# KiCad board access-controller.kicad_pcb
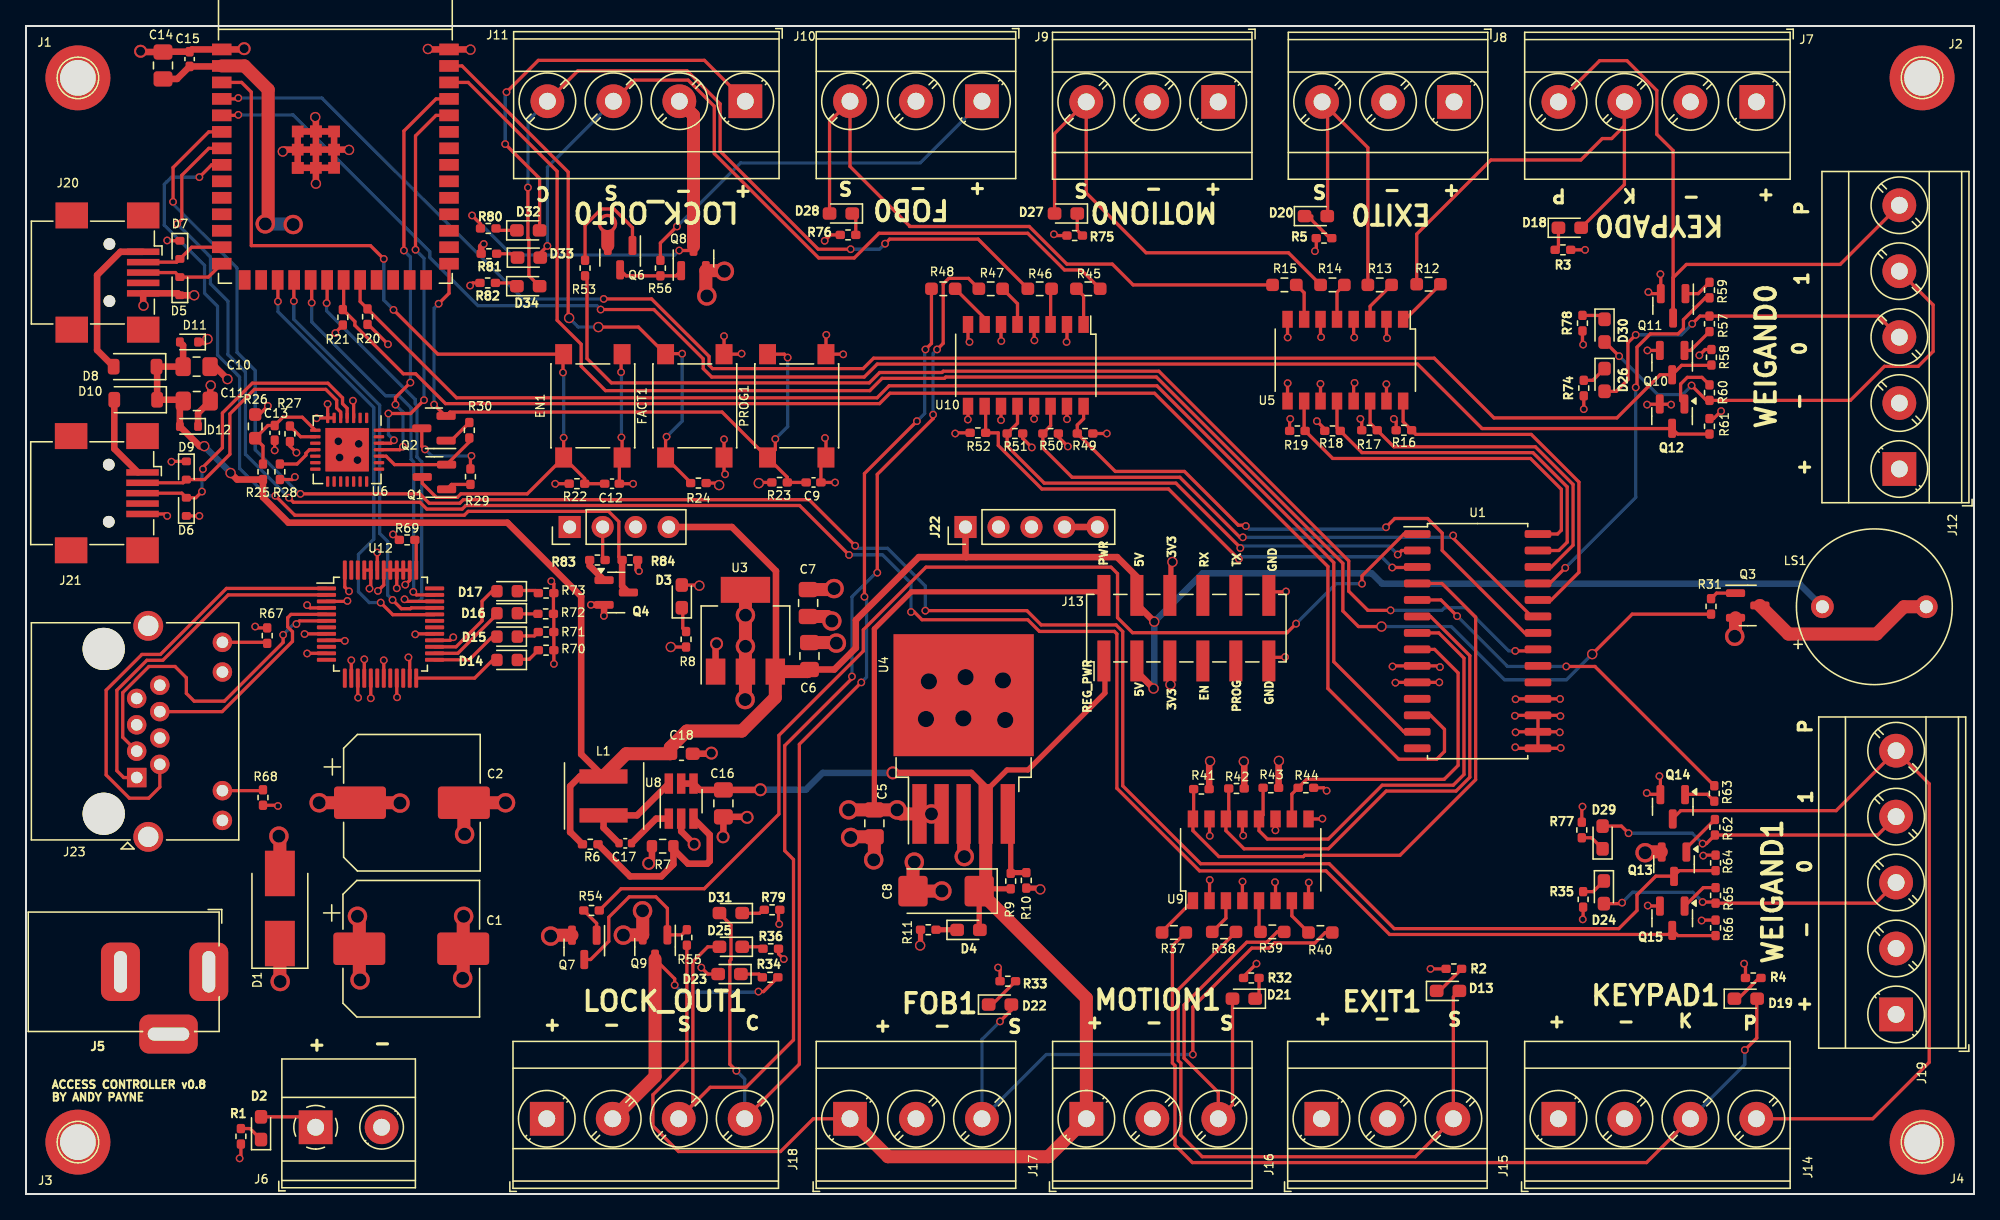
[diagram p0: board, top side]
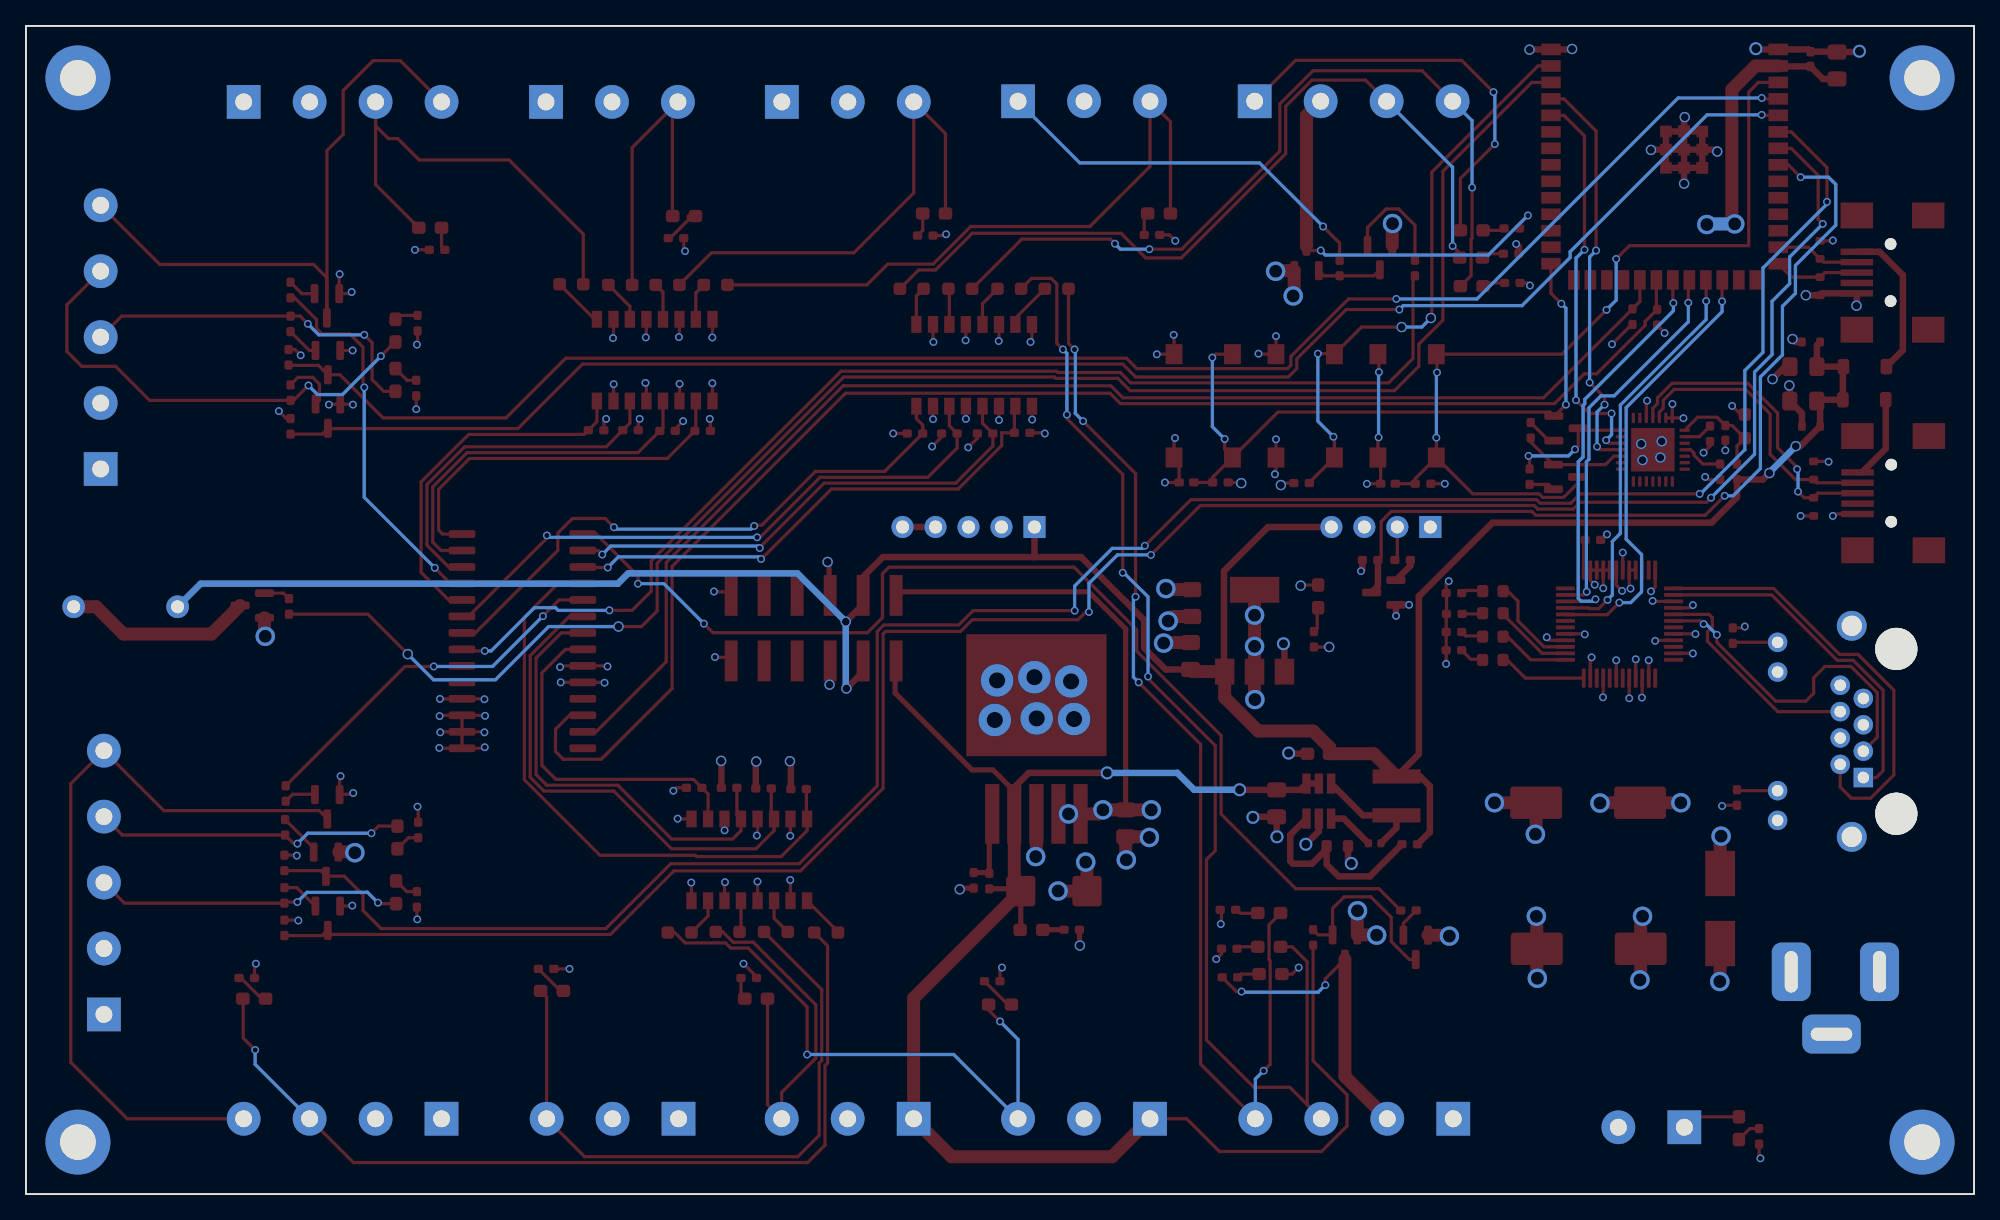
[diagram p1: board, bottom side, seen from below]

Outline 150 x 90 mm; copper layers: Top, In1.Cu (plane), In2.Cu (plane), Bottom. Coordinates in mm from the lower left corner of the outline.
Outline path: 0,90 0,0 150,0 150,90 0,90

## Placement (name value [footprint] x y rotation side)
C1  C_470uF  [CP_Elec_10x10]  29.67 18.9 0 top
C2  C_470uF  [CP_Elec_10x10]  29.72 30.15 0 top
C5  C_10uF  [C_0805_2012Metric_Pad1.18x1.45mm_HandSolder]  65.33 28.56 270 top
C6  C_10uF  [C_0805_2012Metric_Pad1.18x1.45mm_HandSolder]  60.33 41.45 90 top
C7  C_10uF  [C_0805_2012Metric_Pad1.18x1.45mm_HandSolder]  60.22 45.54 270 top
C8  C_10uF_Ta  [CP_EIA-6032-15_Kemet-U_Pad2.25x2.35mm_HandSolder]  70.85 23.34 180 top
C9  1uF  [C_0402_1005Metric_Pad0.74x0.62mm_HandSolder]  60.64 54.83 0 top
C10  C_10uF  [C_0805_2012Metric_Pad1.18x1.45mm_HandSolder]  13.14 63.75 0 top
C11  C_10uF  [C_0805_2012Metric_Pad1.18x1.45mm_HandSolder]  13.15 61.1 0 top
C12  1uF  [C_0402_1005Metric_Pad0.74x0.62mm_HandSolder]  45.12 54.73 0 top
C13  1uF  [C_0402_1005Metric_Pad0.74x0.62mm_HandSolder]  19.15 58.65 270 top
C14  C_10uF  [C_0805_2012Metric_Pad1.18x1.45mm_HandSolder]  10.55 86.95 90 top
C15  100nF  [C_0402_1005Metric_Pad0.74x0.62mm_HandSolder]  12.6 87.45 90 top
C16  C_10uF  [C_0805_2012Metric_Pad1.18x1.45mm_HandSolder]  53.7 30.1 270 top
C17  22nF  [C_0402_1005Metric]  46.15 27.02 180 top
C18  C_22uF  [C_0603_1608Metric_Pad1.08x0.95mm_HandSolder]  50.47 33.92 0 top
D1  D_Zener  [D_SMB_Handsoldering]  19.55 22 90 top
D2  White  [LED_0603_1608Metric_Pad1.05x0.95mm_HandSolder]  18.1 5.07 90 top
D3  White  [LED_0603_1608Metric_Pad1.05x0.95mm_HandSolder]  50.5 46.05 90 top
D4  White  [LED_0603_1608Metric_Pad1.05x0.95mm_HandSolder]  72.58 20.35 0 top
D5  ESD_5V  [D_SOD-523]  11.85 69.95 90 top
D6  ESD_5V  [D_SOD-523]  12.35 52.95 90 top
D7  ESD_5V  [D_SOD-523]  11.85 72.75 270 top
D8  D_1N5819HW  [D_SOD-123]  8.4 63.75 180 top
D9  ESD_5V  [D_SOD-523]  12.35 55.75 270 top
D10  D_1N5819HW  [D_SOD-123]  8.45 61.2 180 top
D11  ESD_5V  [D_SOD-523]  12.55 65.65 180 top
D12  ESD_5V  [D_SOD-523]  12.55 59.15 180 top
D13  White  [LED_0603_1608Metric_Pad1.05x0.95mm_HandSolder]  109.5 15.65 0 top
D14  Red  [LED_0603_1608Metric]  37.05 41.15 180 top
D15  Red  [LED_0603_1608Metric]  37.05 42.95 180 top
D16  Red  [LED_0603_1608Metric]  37.05 44.75 180 top
D17  Red  [LED_0603_1608Metric]  37.05 46.45 180 top
D18  White  [LED_0603_1608Metric_Pad1.05x0.95mm_HandSolder]  118.88 74.45 0 top
D19  White  [LED_0603_1608Metric_Pad1.05x0.95mm_HandSolder]  132.43 15.05 0 top
D20  White  [LED_0603_1608Metric_Pad1.05x0.95mm_HandSolder]  99.33 75.35 0 top
D21  White  [LED_0603_1608Metric_Pad1.05x0.95mm_HandSolder]  93.78 15.05 180 top
D22  White  [LED_0603_1608Metric_Pad1.05x0.95mm_HandSolder]  75 14.6 0 top
D23  White  [LED_0603_1608Metric_Pad1.05x0.95mm_HandSolder]  54.17 16.95 180 top
D24  White  [LED_0603_1608Metric_Pad1.05x0.95mm_HandSolder]  121.5 23.25 270 top
D25  White  [LED_0603_1608Metric_Pad1.05x0.95mm_HandSolder]  54.28 19.05 180 top
D26  White  [LED_0603_1608Metric_Pad1.05x0.95mm_HandSolder]  121.55 62.72 270 top
D27  White  [LED_0603_1608Metric_Pad1.05x0.95mm_HandSolder]  80.08 75.55 180 top
D28  White  [LED_0603_1608Metric_Pad1.05x0.95mm_HandSolder]  62.75 75.55 180 top
D29  White  [LED_0603_1608Metric_Pad1.05x0.95mm_HandSolder]  121.4 27.47 90 top
D30  White  [LED_0603_1608Metric_Pad1.05x0.95mm_HandSolder]  121.55 66.52 270 top
D31  White  [LED_0603_1608Metric_Pad1.05x0.95mm_HandSolder]  54.28 21.65 180 top
D32  White  [LED_0603_1608Metric_Pad1.05x0.95mm_HandSolder]  38.68 74.25 0 top
D33  White  [LED_0603_1608Metric_Pad1.05x0.95mm_HandSolder]  38.73 72.15 0 top
D34  White  [LED_0603_1608Metric_Pad1.05x0.95mm_HandSolder]  38.68 69.95 0 top
EN1  SW_PUSH  [SW_SPST_PTS645]  43.65 60.73 90 top
FACT1  SW_PUSH  [SW_SPST_PTS645]  51.5 60.73 90 top
J1  Conn_01x01_Female  [Mount_Hole]  4 86 180 top
J2  Conn_01x01_Female  [Mount_Hole]  146 86 180 top
J3  Conn_01x01_Female  [Mount_Hole]  4 4 180 top
J4  Conn_01x01_Female  [Mount_Hole]  146 4 180 top
J5  Barrel_Jack_Switch  [BarrelJack_OD5.5_ID2.5]  13.98 17.12 0 top
J6  Screw_Terminal_01x02  [TerminalBlock_Phoenix_MKDS-1,5-2-5.08_1x02_P5.08mm_Horizontal]  22.31 5.14 0 top
J7  Terminal_01x04  [TerminalBlock_Phoenix_MKDS-3-4-5.08_1x04_P5.08mm_Horizontal]  133.24 84.15 180 top
J8  Terminal_01x03  [TerminalBlock_Phoenix_MKDS-3-3-5.08_1x03_P5.08mm_Horizontal]  109.96 84.15 180 top
J9  Terminal_01x03  [TerminalBlock_Phoenix_MKDS-3-3-5.08_1x03_P5.08mm_Horizontal]  91.8 84.15 180 top
J10  Terminal_01x03  [TerminalBlock_Phoenix_MKDS-3-3-5.08_1x03_P5.08mm_Horizontal]  73.61 84.2 180 top
J11  Terminal_01x04  [TerminalBlock_Phoenix_MKDS-3-4-5.08_1x04_P5.08mm_Horizontal]  55.39 84.2 180 top
J12  Screw_Terminal_01x05  [TerminalBlock_Phoenix_MKDS-3-5-5.08_1x05_P5.08mm_Horizontal]  144.25 55.86 90 top
J13  Conn_02x06_Odd_Even  [PinHeader_2x06_P2.54mm_Vertical_SMD]  89.35 43.6 90 top
J14  Terminal_01x04  [TerminalBlock_Phoenix_MKDS-3-4-5.08_1x04_P5.08mm_Horizontal]  118 5.8 0 top
J15  Terminal_01x03  [TerminalBlock_Phoenix_MKDS-3-3-5.08_1x03_P5.08mm_Horizontal]  99.75 5.8 0 top
J16  Terminal_01x03  [TerminalBlock_Phoenix_MKDS-3-3-5.08_1x03_P5.08mm_Horizontal]  81.65 5.8 0 top
J17  Terminal_01x03  [TerminalBlock_Phoenix_MKDS-3-3-5.08_1x03_P5.08mm_Horizontal]  63.45 5.8 0 top
J18  Terminal_01x04  [TerminalBlock_Phoenix_MKDS-3-4-5.08_1x04_P5.08mm_Horizontal]  40.1 5.8 0 top
J19  Screw_Terminal_01x05  [TerminalBlock_Phoenix_MKDS-3-5-5.08_1x05_P5.08mm_Horizontal]  144 13.84 90 top
J20  USB_MINI_B  [USB_Mini-B_Wuerth_65100516121_Horizontal]  6.43 71 270 top
J21  USB_MINI_B  [USB_Mini-B_Wuerth_65100516121_Horizontal]  6.38 54 270 top
J22  RF_MODULE  [RXB6_RF_MODULE]  61.18 51.14 0 top
J23  CONN_RJ45  [RJ45_Amphenol_RJHSE538X]  8.53 32.09 90 top
L1  10uH  [L_4x4]  44.47 30.67 90 top
LS1  TMB12A05  [S_YXDZ]  142.33 45.25 90 top
PROG1  SW_PUSH  [SW_SPST_PTS645]  59.35 60.73 90 top
Q1  Q_L8050QLT1G  [SOT-23]  31.45 55.25 180 top
Q2  Q_L8550HQLT1G  [SOT-23]  31.41 59 180 top
Q3  Q_MMBT5551  [SOT-23]  132.57 45.35 0 top
Q4  Q_MMBT5551  [SOT-23]  45.45 46.35 0 top
Q6  Q_MMBT5551  [SOT-23]  45.75 72.15 270 top
Q7  Q_MMBT5551  [SOT-23]  42.99 19.01 270 top
Q8  Q_AO3400A  [SOT-23]  51.4 72.08 90 top
Q9  Q_AO3400A  [SOT-23]  48.44 19.03 270 top
Q10  Q_MMBT5551  [SOT-23]  126.76 64.06 270 top
Q11  Q_MMBT5551  [SOT-23]  126.83 68.44 270 top
Q12  Q_MMBT5551  [SOT-23]  126.75 59.94 270 top
Q13  Q_MMBT5551  [SOT-23]  126.9 25.41 270 top
Q14  Q_MMBT5551  [SOT-23]  126.8 29.84 270 top
Q15  Q_MMBT5551  [SOT-23]  126.76 21.25 270 top
R1  10K  [R_0402_1005Metric_Pad0.72x0.64mm_HandSolder]  16.55 4.45 90 top
R2  10K  [R_0402_1005Metric_Pad0.72x0.64mm_HandSolder]  109.95 17.35 0 top
R3  10K  [R_0402_1005Metric_Pad0.72x0.64mm_HandSolder]  118.35 72.75 180 top
R4  10K  [R_0402_1005Metric_Pad0.72x0.64mm_HandSolder]  133 16.65 0 top
R5  10K  [R_0402_1005Metric_Pad0.72x0.64mm_HandSolder]  99.95 73.65 0 top
R6  100K  [R_0402_1005Metric_Pad0.72x0.64mm_HandSolder]  43.45 26.95 0 top
R7  13K  [R_0603_1608Metric]  49.03 26.8 180 top
R8  10K  [R_0402_1005Metric_Pad0.72x0.64mm_HandSolder]  50.83 42.74 90 top
R9  R_20K  [R_0402_1005Metric_Pad0.72x0.64mm_HandSolder]  75.83 24.11 90 top
R10  R_2.2K  [R_0402_1005Metric_Pad0.72x0.64mm_HandSolder]  77.03 24.17 270 top
R11  10K  [R_0402_1005Metric_Pad0.72x0.64mm_HandSolder]  69.48 20.36 0 top
R12  R_1K  [R_0603_1608Metric_Pad0.98x0.95mm_HandSolder]  108 70.1 180 top
R13  R_1K  [R_0603_1608Metric_Pad0.98x0.95mm_HandSolder]  104.24 70.05 180 top
R14  R_1K  [R_0603_1608Metric_Pad0.98x0.95mm_HandSolder]  100.6 70.05 180 top
R15  R_1K  [R_0603_1608Metric_Pad0.98x0.95mm_HandSolder]  96.9 70.05 180 top
R16  R_10K_0402  [R_0402_1005Metric_Pad0.72x0.64mm_HandSolder]  106.1 58.85 0 top
R17  R_10K_0402  [R_0402_1005Metric_Pad0.72x0.64mm_HandSolder]  103.45 58.85 0 top
R18  R_10K_0402  [R_0402_1005Metric_Pad0.72x0.64mm_HandSolder]  100.6 58.8 0 top
R19  R_10K_0402  [R_0402_1005Metric_Pad0.72x0.64mm_HandSolder]  97.9 58.8 0 top
R20  10K  [R_0402_1005Metric_Pad0.72x0.64mm_HandSolder]  26.3 67.6 90 top
R21  10K  [R_0402_1005Metric_Pad0.72x0.64mm_HandSolder]  24.4 67.55 270 top
R22  10K  [R_0402_1005Metric_Pad0.72x0.64mm_HandSolder]  42.43 54.73 0 top
R23  10K  [R_0402_1005Metric_Pad0.72x0.64mm_HandSolder]  58.03 54.83 0 top
R24  10K  [R_0402_1005Metric_Pad0.72x0.64mm_HandSolder]  51.78 54.78 180 top
R25  22.1K  [R_0402_1005Metric_Pad0.72x0.64mm_HandSolder]  18.25 55.65 270 top
R26  47.5K  [R_0603_1608Metric_Pad0.98x0.95mm_HandSolder]  17.65 59.15 270 top
R27  1K  [R_0402_1005Metric_Pad0.72x0.64mm_HandSolder]  20.33 58.57 90 top
R28  10K  [R_0402_1005Metric_Pad0.72x0.64mm_HandSolder]  19.55 55.65 270 top
R29  10K  [R_0402_1005Metric_Pad0.72x0.64mm_HandSolder]  34.23 55.27 270 top
R30  10K  [R_0402_1005Metric_Pad0.72x0.64mm_HandSolder]  34.14 58.85 90 top
R31  R_100  [R_0402_1005Metric_Pad0.72x0.64mm_HandSolder]  129.75 45.28 90 top
R32  10K  [R_0402_1005Metric_Pad0.72x0.64mm_HandSolder]  94.35 16.65 0 top
R33  10K  [R_0402_1005Metric_Pad0.72x0.64mm_HandSolder]  75.6 16.4 0 top
R34  10K  [R_0402_1005Metric_Pad0.72x0.64mm_HandSolder]  57.3 16.7 180 top
R35  10K  [R_0402_1005Metric_Pad0.72x0.64mm_HandSolder]  119.9 22.7 90 top
R36  10K  [R_0402_1005Metric_Pad0.72x0.64mm_HandSolder]  57.35 18.9 180 top
R37  R_1K  [R_0603_1608Metric_Pad0.98x0.95mm_HandSolder]  88.39 20.15 0 top
R38  R_1K  [R_0603_1608Metric_Pad0.98x0.95mm_HandSolder]  92.25 20.2 0 top
R39  R_1K  [R_0603_1608Metric_Pad0.98x0.95mm_HandSolder]  95.97 20.2 0 top
R40  R_1K  [R_0603_1608Metric_Pad0.98x0.95mm_HandSolder]  99.67 20.15 0 top
R41  R_10K_0402  [R_0402_1005Metric_Pad0.72x0.64mm_HandSolder]  90.51 31.2 180 top
R42  R_10K_0402  [R_0402_1005Metric_Pad0.72x0.64mm_HandSolder]  93.21 31.25 180 top
R43  R_10K_0402  [R_0402_1005Metric_Pad0.72x0.64mm_HandSolder]  95.86 31.3 180 top
R44  R_10K_0402  [R_0402_1005Metric_Pad0.72x0.64mm_HandSolder]  98.55 31.3 180 top
R45  R_1K  [R_0603_1608Metric_Pad0.98x0.95mm_HandSolder]  81.8 69.75 0 top
R46  R_1K  [R_0603_1608Metric_Pad0.98x0.95mm_HandSolder]  78.06 69.75 180 top
R47  R_1K  [R_0603_1608Metric_Pad0.98x0.95mm_HandSolder]  74.28 69.75 180 top
R48  R_1K  [R_0603_1608Metric_Pad0.98x0.95mm_HandSolder]  70.64 69.75 180 top
R49  R_10K_0402  [R_0402_1005Metric_Pad0.72x0.64mm_HandSolder]  81.55 58.6 180 top
R50  R_10K_0402  [R_0402_1005Metric_Pad0.72x0.64mm_HandSolder]  78.9 58.6 180 top
R51  R_10K_0402  [R_0402_1005Metric_Pad0.72x0.64mm_HandSolder]  76.15 58.6 180 top
R52  R_10K_0402  [R_0402_1005Metric_Pad0.72x0.64mm_HandSolder]  73.3 58.65 0 top
R53  R_10K_0402  [R_0402_1005Metric_Pad0.72x0.64mm_HandSolder]  43.05 71.35 270 top
R54  R_10K_0402  [R_0402_1005Metric_Pad0.72x0.64mm_HandSolder]  43.55 21.85 0 top
R55  R_10K_0402  [R_0402_1005Metric_Pad0.72x0.64mm_HandSolder]  50.89 19.77 270 top
R56  R_10K_0402  [R_0402_1005Metric_Pad0.72x0.64mm_HandSolder]  48.85 71.34 90 top
R57  R_1K_0402  [R_0402_1005Metric_Pad0.72x0.64mm_HandSolder]  129.63 67.05 90 top
R58  R_1K_0402  [R_0402_1005Metric_Pad0.72x0.64mm_HandSolder]  129.78 64.47 90 top
R59  R_100  [R_0402_1005Metric_Pad0.72x0.64mm_HandSolder]  129.63 69.65 90 top
R60  R_1K_0402  [R_0402_1005Metric_Pad0.72x0.64mm_HandSolder]  129.63 61.75 270 top
R61  R_1K_0402  [R_0402_1005Metric_Pad0.72x0.64mm_HandSolder]  129.63 59.15 90 top
R62  R_1K_0402  [R_0402_1005Metric_Pad0.72x0.64mm_HandSolder]  130.05 28.26 270 top
R63  R_100  [R_0402_1005Metric_Pad0.72x0.64mm_HandSolder]  130 30.86 270 top
R64  R_1K_0402  [R_0402_1005Metric_Pad0.72x0.64mm_HandSolder]  130.1 25.52 90 top
R65  R_1K_0402  [R_0402_1005Metric_Pad0.72x0.64mm_HandSolder]  130.1 23.01 270 top
R66  R_1K_0402  [R_0402_1005Metric_Pad0.72x0.64mm_HandSolder]  130.1 20.51 90 top
R67  10K  [R_0402_1005Metric_Pad0.72x0.64mm_HandSolder]  18.58 43.02 90 top
R68  10K  [R_0402_1005Metric_Pad0.72x0.64mm_HandSolder]  18.25 30.55 270 top
R69  1K  [R_0402_1005Metric_Pad0.72x0.64mm_HandSolder]  29.35 50.4 180 top
R70  1K  [R_0402_1005Metric_Pad0.72x0.64mm_HandSolder]  40.05 41.9 0 top
R71  1K  [R_0402_1005Metric_Pad0.72x0.64mm_HandSolder]  40.05 43.3 0 top
R72  1K  [R_0402_1005Metric_Pad0.72x0.64mm_HandSolder]  40.02 44.7 0 top
R73  1K  [R_0402_1005Metric_Pad0.72x0.64mm_HandSolder]  40.05 46.3 0 top
R74  10K  [R_0402_1005Metric_Pad0.72x0.64mm_HandSolder]  119.95 62.1 90 top
R75  10K  [R_0402_1005Metric_Pad0.72x0.64mm_HandSolder]  80.75 73.85 0 top
R76  10K  [R_0402_1005Metric_Pad0.72x0.64mm_HandSolder]  63.3 73.9 0 top
R77  10K  [R_0402_1005Metric_Pad0.72x0.64mm_HandSolder]  119.8 28.05 270 top
R78  10K  [R_0402_1005Metric_Pad0.72x0.64mm_HandSolder]  119.85 67.1 90 top
R79  10K  [R_0402_1005Metric_Pad0.72x0.64mm_HandSolder]  57.45 21.9 180 top
R80  10K  [R_0402_1005Metric_Pad0.72x0.64mm_HandSolder]  35.6 74.4 0 top
R81  10K  [R_0402_1005Metric_Pad0.72x0.64mm_HandSolder]  35.65 72.45 0 top
R82  10K  [R_0402_1005Metric_Pad0.72x0.64mm_HandSolder]  35.55 70.2 0 top
R83  10K  [R_0402_1005Metric_Pad0.72x0.64mm_HandSolder]  44 48.85 0 top
R84  10K  [R_0402_1005Metric_Pad0.72x0.64mm_HandSolder]  46.5 48.85 180 top
U1  MCP23017_SS  [SOIC-28W_7.5x17.9mm_P1.27mm]  111.78 42.6 0 top
U3  REG_AMS1117-3.3  [SOT-223-3_TabPin2]  55.4 43.4 90 top
U4  MIC29302WU  [TO-263-5_TabPin3]  72.2 35.06 90 top
U5  TLP291-4  [SOP-16_4.4x10.4mm_P1.27mm]  101.59 64.25 270 top
U6  CP2102N-Axx-xQFN28  [QFN-28-1EP_5x5mm_P0.5mm_EP3.35x3.35mm]  24.73 57.35 270 top
U7  -  [ESP32-S3-WROOM-1]  23.83 79.93 0 top
U8  REG_MT2492  [SOT-23-6_Handsoldering]  50.45 30.27 90 top
U9  TLP291-4  [SOP-16_4.4x10.4mm_P1.27mm]  94.31 25.75 90 top
U10  TLP291-4  [SOP-16_4.4x10.4mm_P1.27mm]  76.99 63.85 270 top
U12  W5500  [LQFP-48_7x7mm_P0.5mm]  27.3 43.91 0 top

## Library data of the parts
C1 C2 = -: Description: 470UF ±20% 35V SMD,10X10.2MM ALUMINUM ELECTROLYTIC CAPACITORS - SMD ROHS; LCSC: C3350; Part Number: RVT1V471M1010
C5-C7 C10 C11 C16 = -: Description: MULTILAYER CERAMIC CAPACITORS MLCC - SMD/SMT 10UF 25V 0805 ROHS; LCSC: C15850; Part Number: CL21A106KAYNNNE
C8 = -: Description: Polarized capacitor; LCSC: C116748; Part Number: T491C106K025AT
C9 C12 C13 = -: LCSC: C52923; Part Number: CL05A105KA5NQNC
C14 = -: LCSC: C15850; Part Number: CL21A106KAYNNNE
C15 = -: Description: 100NF 16V 0402; LCSC: C1525; Part Number: CL05B104KO5NNNC
C17 = -: Description: 50V 22nF X7R ±10% 0402 Multilayer Ceramic Capacitors MLCC - SMD/SMT ROHS; LCSC: C1532; Part Number: 0402B223K500NT
C18 = -: LCSC: C59461; Part Number: CL10A226MQ8NRNC
D1 = -: Description: 42.1V Clamp 14.9A Ipp Tvs Diode Surface Mount SMB (DO-214AA); LCSC: C8835; Part Number: SMBJ26CA
D2-D4 D13 D18-D34 = -: Description: White 0603 Light Emitting Diodes (LED) ROHS; LCSC: C2290; Part Number: KT-0603W
D5-D7 D9 D11 D12 = -: Description: ESD protection diode, 5.0Vrwm, SOD-923; LCSC: C5199850
D8 D10 = -: Description: SCHOTTKY BARRIER DIODES (SBD) SOD-123 ROHS; LCSC: C82544; Part Number: 1N5819HW-7-F
D14-D17 = -: LCSC: C2286; Part Number: KT-0603R
EN1 FACT1 PROG1 = -: LCSC: C127509; Part Number: K2-1102SP-C4SC-04
J1-J4 = -: Description: Generic connector, single row, 01x01, script generated (kicad-library-utils/schlib/autogen/connector/)
J5 = -: Description: Right-Angle DC Power Receptacle -40℃~+55℃ 2.1mm 6.3mm 500mA 30V Plugin AC/DC Power Connectors ROHS; LCSC: C194407; Part Number: DC-470-2.1GP
J6 = -: Description: 2 Bend 1 5.08mm 1x2P Green Board Edge/Receptacle-Close Push-Pull,P=5.08mm Pluggable System Terminal Block ROHS; LCSC: C3697; Part Number: WJ2EDGRC-5.08-2P
J7 J11 J14 J18 = -: Description: 4 Bend 1 5.08mm 1x4P Green Board Edge/Receptacle-Close Push-Pull,P=5.08mm Pluggable System Terminal Block ROHS; LCSC: C8446; Part Number: WJ2EDGRC-5.08-4P
J8-J10 J15-J17 = -: Description: 3 Bend 1 5.08mm 1x3P Green Board Edge/Receptacle-Close Push-Pull,P=5.08mm Pluggable System Terminal Block ROHS; LCSC: C8377; Part Number: WJ2EDGRC-5.08-3P
J12 J19 = -: Description: 5 Bend 1 5.08mm 1x5P Green Board Edge/Receptacle-Close Push-Pull,P=5.08mm Pluggable System Terminal Block ROHS; LCSC: C8457; Part Number: WJ2EDGRC-5.08-5P
J13 = -: Description: Gold 250V 3A Brick nogging Square Pins 2.5mm 12P 260℃ 6mm -40℃~+105℃ 2.54mm 双排 Black Brass 2x6P SMD,P=2.54mm,Surface Mount，Right Angle Pin Headers ROHS; LCSC: C2884015; Part Number: X6521WVS-2x06H-C60D74
J20 J21 = -: Description: 1A USB 2.0 1 Surface Mount 5P Female Mini-B SMD USB Connectors ROHS; LCSC: C46391; Part Number: 920-462A2021S10101
J22 = -: Description: Generic connector, single row, 01x09, script generated (kicad-library-utils/schlib/autogen/connector/)
J23 = -: Description: RJ connector, 8P8C (8 positions 8 connected), two LEDs, RJ45; LCSC: C386757; Part Number: R-RJ45R08P-C000
L1 = -: Description: 2A 10uH ±20% 216mΩ SMD  Power Inductors ROHS; LCSC: C98364; Part Number: WPN4020H100MT
LS1 = -: Description: Active (driven circuit included) 85dB@5V,10cm Magnetic 2300Hz Plugin,D=12mm Buzzers ROHS; LCSC: C96093
Q1 = -: Description: 25V 225mW 800mA NPN SOT-23 Bipolar Transistors - BJT ROHS; LCSC: C49581; Part Number: L8050QLT1G
Q2 = -: Description: 25V 225mW 1500mA PNP SOT-23 Bipolar Transistors - BJT ROHS; LCSC: C39282; Part Number: L8550HQLT1G
Q3 Q4 Q6 Q7 Q10-Q15 = -: Description: 160V 0.3W NPN 0.6A SOT-23(SOT-23-3) Bipolar Transistors - BJT ROHS; LCSC: C2145; Part Number: MMBT5551
Q8 Q9 = -: LCSC: C20917; Part Number: AO3400A
R1-R5 R8 R11 R16-R24 R28-R30 R32-R36 R41-R44 R49-R56 R67 R68 R74-R84 = -: LCSC: C25744; Part Number: 0402WGF1002TCE
R6 = -: Description: 1/16W ±1% ±100ppm/℃ 100kΩ 0402 Chip Resistor - Surface Mount ROHS; LCSC: C25741; Part Number: 0402WGF1003TCE
R7 = -: Description: 1/10W Thick Film Resistors 75V ±1% ±100ppm/℃ -55℃~+155℃ 13kΩ 0603  Chip Resistor - Surface Mount ROHS; LCSC: C22797; Part Number: 0603WAF1302T5E
R9 = -: Description: CHIP RESISTOR - SURFACE MOUNT 20KOHMS ±1% 1/16W 0402 ROHS; LCSC: C25765; Part Number: 0402WGF2002TCE
R10 = -: Description: CHIP RESISTOR - SURFACE MOUNT 2.2KOHMS ±1% 1/16W 0402 ROHS; LCSC: C4190
R12-R15 R37-R40 R45-R48 = -: LCSC: C21190; Part Number: ERJ-3GEYJ102V
R25 = -: Description: 62.5mW Thick Film Resistors ±100ppm/℃ ±1% 22.1kΩ 0402 Chip Resistor - Surface Mount ROHS; LCSC: C2929993; Part Number: FRC0402F2212TS
R26 = -: LCSC: C23061; Part Number: 0603WAF4752T5E
R27 R57 R58 R60-R62 R64-R66 R69-R73 = -: LCSC: C11702; Part Number: 0402WGF1001TCE
R31 R59 R63 = -: Description: CHIP RESISTOR - SURFACE MOUNT 100OHMS ±1% 1/16W 0402 ROHS; LCSC: C25076; Part Number: 0402WGF1000TCE
U1 = -: Description: 16-bit I/O expander, I2C, interrupts, w pull-ups, SSOP-28; LCSC: C47023; Part Number: MCP23017-E/SO
U3 = -: Description: LOW DROPOUT REGULATORS(LDO) POSITIVE FIXED 1.3V @ 800MA 15V 3.3V 1A SOT-223 ROHS; LCSC: C347222; Part Number: AMS1117-3.3
U4 = -: Description: High  current,high  accuracy,  low  dropout  voltage  regulators; LCSC: C11149; Part Number: MIC29302WU-TR
U5 U9 U10 = -: Description: Quad DC Optocoupler, Vce 80V, CTR 50-100%, SOP16; LCSC: C60900; Part Number: TLP291-4(GB-TP,E(T
U6 = -: Description: UART UART QFN-28-EP(5x5) USB ICs ROHS; LCSC: C964632; Part Number: CP2102N-A02-GQFN28R
U7 = -: Description: 2.4 GHz WiFi (802.11 b/g/n) and Bluetooth ® 5 (LE) module Built around ESP32S3 series of SoCs, Xtensa ® dualcore 32bit LX7 microprocessor Flash up to 16 MB, PSRAM up to 8 MB 36 GPIOs, rich set of peripherals Onboard PCB antenna; LCSC: C2913199
U8 = -: Description: Step-down type SOT-23-6  DC-DC Converters ROHS - 2 Amps; LCSC: C89358; Part Number: MT2492
U12 = -: Description: 10/100Mb SPI Ethernet controller with TCP/IP stack, LQFP-48; LCSC: C32843
